# Allegro board T736_DEMO_DBOARD_V0-5-draft.brd (continued)
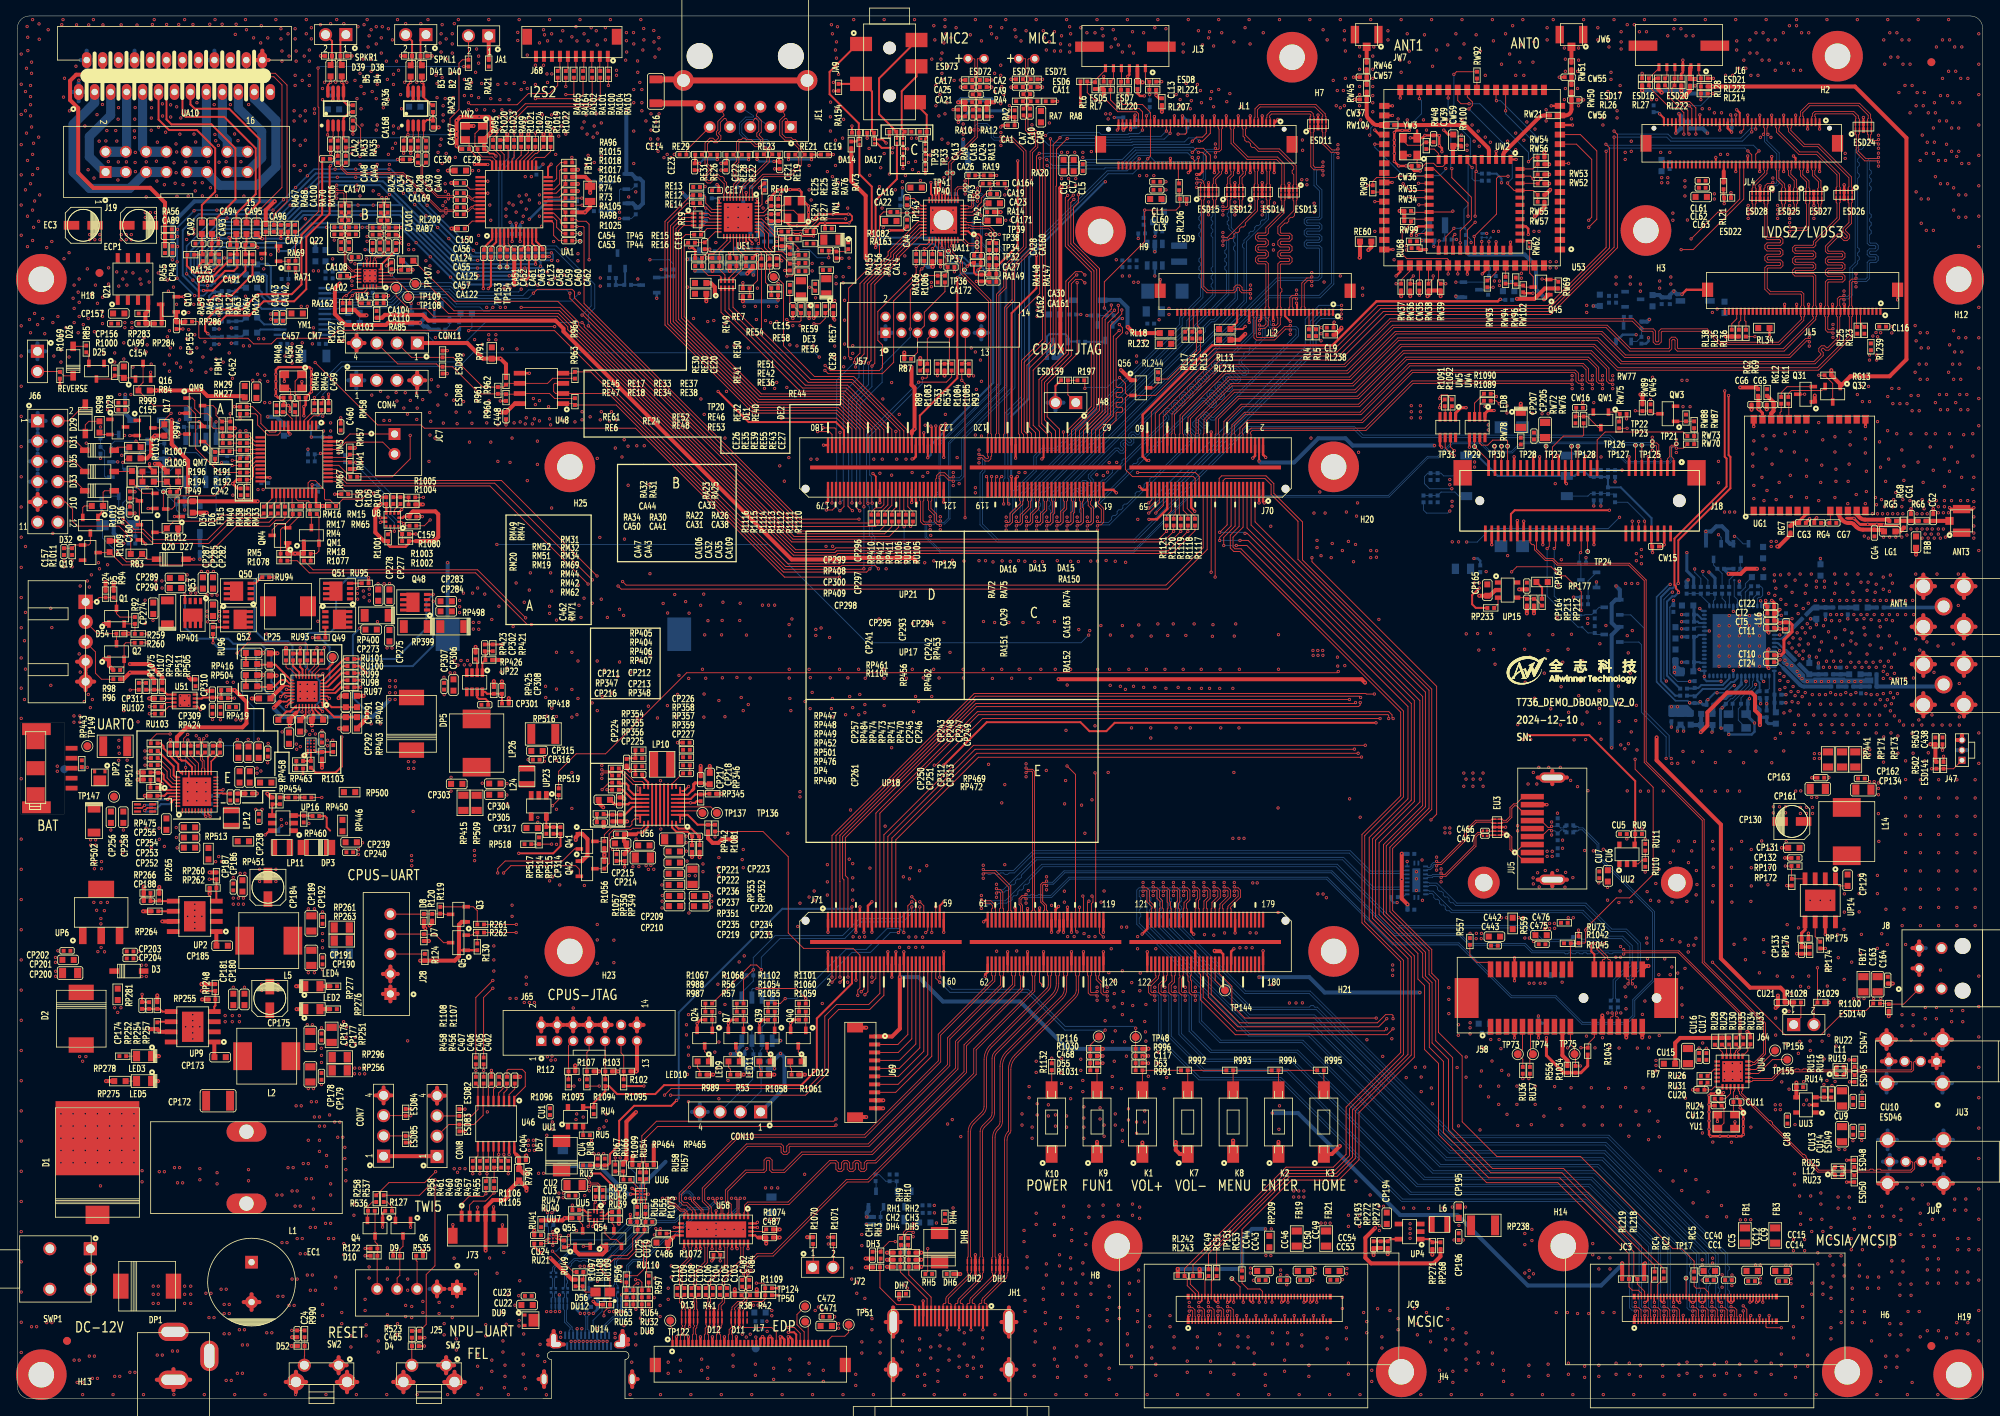
[diagram p0: board, top side]
## Routing (per net, layer and track width the routed paths; a pad name or vN(x,y) marks a point on that pad's centre or on a via; arc(x,y) is an arc through that point) (continued)
HTXCN: length 49.4
  TOP w0.102: J71.92 129.05,53.08 129.15,52.98 129.15,51.84 arc(129.11,51.62) 128.98,51.43 121.86,44.31 arc(121.3,43.47) 121.1,42.48 121.1,36.65 arc(121.02,36.23) 120.78,35.87 119.63,34.72 arc(119.24,34.14) 119.11,33.46 119.11,17.77 119.01,17.68 DH2.5 DH2.6 119.01,15.82 119.11,15.72 119.11,15.54 arc(119.1,15.48) 119.07,15.43 116.44,12.8 arc(116.35,12.67) 116.32,12.52 116.32,12.02 116.21,11.92 116.07,11.92 115.97,11.81 JH1.12
HTXCP: length 49.5
  TOP w0.102: J71.94 129.55,53.08 129.46,52.98 129.46,51.84 arc(129.39,51.5) 129.2,51.22 122.08,44.1 arc(121.58,43.36) 121.41,42.48 121.41,36.65 arc(121.3,36.11) 121,35.65 119.84,34.5 arc(119.53,34.02) 119.41,33.46 119.41,17.77 119.51,17.68 DH2.4 DH2.7 119.51,15.82 119.41,15.72 119.41,15.54 arc(119.38,15.36) 119.28,15.22 116.65,12.59 arc(116.63,12.55) 116.62,12.52 116.62,12.02 116.72,11.92 116.87,11.92 116.97,11.81 JH1.10
HUB-DM1: length 85.7
  TOP w0.112: UU4.11 217.29,41.76 217.42,41.89 217.68,41.89 219,43.21 219,47.07 211.31,54.75 211.31,72.58 204.05,79.85 204.05,102.61 201.95,104.71 192.98,104.71 192.41,105.28 191.52,105.28 190.31,106.49 J18.36
HUB-DM3: length 11.8
  TOP w0.112: UU4.7 217.29,39.76 217.42,39.89 219.88,39.89 220.95,40.96 227.54,40.96 RU19.1
HUB-DM4: length 17.1
  TOP w0.112: UU4.5 215.62,38.59 215.75,38.46 215.75,38.22 225.57,28.4 227.33,28.4 RU23.1
HUB-DP1: length 85.7
  TOP w0.112: UU4.12 217.29,42.26 217.42,42.13 217.58,42.13 218.76,43.31 218.76,46.97 211.07,54.65 211.07,72.48 203.81,79.75 203.81,102.51 201.85,104.47 192.88,104.47 192.31,105.04 191.42,105.04 190.07,106.39 190.07,106.92 189.96,107.04 189.76,107.04 189.51,107.29 J18.38
HUB-DP3: length 12.1
  TOP w0.112: RU22.1 227.54,41.2 224.2,41.2 224.07,41.32 223.74,41.32 223.61,41.2 223.28,41.2 223.15,41.32 222.82,41.32 222.69,41.2 222.36,41.2 222.23,41.32 221.9,41.32 221.77,41.2 220.85,41.2 219.78,40.13 217.42,40.13 217.29,40.26 UU4.8
HUB-DP4: length 17.1
  TOP w0.112: RU25.1 227.33,28.64 225.67,28.64 225.42,28.89 225.42,29.07 225.18,29.3 225,29.3 224.77,29.54 224.77,29.72 224.53,29.95 224.35,29.95 224.1,30.21 224.1,30.39 223.86,30.62 223.68,30.62 219.88,34.43 219.88,34.6 219.64,34.84 219.46,34.84 215.99,38.32 215.99,38.46 216.12,38.59 UU4.6
HUB-IN-DM: length 1.8
  TOP w0.112: UU4.14 215.62,43.26 215.49,43.39 215.49,43.46 215.87,43.84 215.87,44.07 RU34.2
HUB-IN-DP: length 1.8
  TOP w0.112: RU35.2 215.63,44.1 215.63,43.94 215.25,43.56 215.25,43.42 215.12,43.29 UU4.15
HUB-REXT: length 1.9
  TOP w0.114: UU4.13 216.78,43.59 216.78,43.88 217.11,44.22 RU33.2
HUB-XIN: length 3.6
  TOP w0.114: YU1.1 214.98,35.79 CU11.1 214.98,38.44 215.12,38.58 UU4.4
HUB-XOUT: length 2.3
  TOP w0.114: UU4.3 214.62,38.24 213.97,37.59 RU24.1
I2S2-BCLK: length 146.5
  TOP w0.114: RA99.1 v1(62.23,158.62) 62.23,160.27 63.88,161.93 71.75,161.93 73.03,163.19 RA104.2 ; v1(71.53,134.47) 80.26,125.73 80.44,125.73 97.77,108.41 108.66,108.41 109.55,109.3 R1113.2
  L4 w0.114: v1(62.23,158.62) 60.5,156.9 v1(60.5,136.78)
  BOTTOM w0.114: v1(62.23,158.62) 62.23,155.45 60.71,153.92 60.71,144.65 60.88,144.48 67.51,144.48 72.33,139.66 72.33,136.69 71.53,135.89 v1(71.53,134.47) ; v1(60.5,136.78) 60.07,137.21 55.02,137.21 53.85,138.37 48.34,138.37 47.04,137.08 40.66,137.08 40.18,136.6 U57.5
I2S2-DOUT0: length 113
  TOP w0.114: RA96.1 69.51,155.53 v1(69.47,155.57) ; v1(69.22,138.56) 69.22,137.93 97.82,109.32 107.52,109.32 107.82,109.63 R1115.2 ; v1(68.71,163.45) 69.61,163.45 69.72,163.56 RA102.1
  L4 w0.114: v1(68.71,163.45) 69.47,162.69 v1(69.47,155.57) 69.22,155.32 v1(69.22,138.56)
  BOTTOM w0.114: U57.2 39.74,138.55 39.88,138.68 42.77,138.68 43.34,138.12 45.76,138.12 47.06,139.42 54.28,139.42 55.45,138.25 63.32,138.25 64.04,138.97 68.8,138.97 v1(69.22,138.56)
I2S2-DOUT1: length 116.5
  TOP w0.114: R1116.2 106.8,109.75 98.02,109.75 69.8,137.97 69.8,138.73 69.49,139.04 65.13,139.04 v1(64.64,138.56) ; v1(64.9,162.94) 70.36,162.94 70.87,163.45 RA101.1 ; RA97.1 v1(64.9,158.62)
  L4 w0.114: v1(64.64,138.56) 64.64,140.34 64.39,140.59 64.39,146.94 64.9,147.45 v1(64.9,158.62) v1(64.9,162.94)
  BOTTOM w0.114: v1(64.64,138.56) 64,137.91 55.31,137.91 54.14,139.07 48.05,139.07 46.74,137.77 40.54,137.77 40.41,137.9 U57.3
I2S2-DOUT2: length 125.8
  TOP w0.114: RA164.1 v1(68.71,164.47) ; v1(111.9,109.33) 112.19,109.63 R1110.2 ; R1025.2 v1(70.1,146.91) 70.88,146.91 70.99,146.8 70.99,137.26 98.02,110.24 v1(105.44,110.24)
  L3 w0.114: v1(111.9,109.33) 111,110.24 v1(105.44,110.24)
  L4 w0.114: v1(68.71,164.47) 69.88,163.29 69.88,155.23 69.69,155.04 69.69,147.33 v1(70.1,146.91) 69.72,146.53 69.72,139.22 v1(70.38,138.56)
  BOTTOM w0.114: v1(70.38,138.56) 69.39,137.57 55.16,137.57 54,138.73 48.19,138.73 46.88,137.42 40.09,137.42 39.91,137.25 U57.4
I2S2-LRCK: length 146
  TOP w0.114: RA95.1 59.59,158.02 60.07,158.5 v1(60.07,158.75) 63.63,162.31 71.5,162.31 72.01,162.81 RA100.1 ; R1114.2 108.69,109.47 107.96,108.75 97.91,108.75 70.85,135.81 v1(70.74,135.81)
  L4 w0.114: v1(60.07,158.75) 59.55,158.23 59.55,154.95 59.87,154.63 59.87,137.09 v1(59.56,136.78)
  BOTTOM w0.114: v1(70.74,135.81) 71.88,136.96 71.88,139.47 67.28,144.07 60.66,144.07 60.33,144.4 60.33,154.31 61.59,155.57 61.59,156.59 60.07,158.12 v1(60.07,158.75) ; U57.6 41.31,135.95 RL234.2 42.09,136.73 47.27,136.73 48.54,138 53.7,138 54.86,136.83 57.94,136.83 58.45,136.32 59.11,136.32 v1(59.56,136.78)
I2S2-MCLK: length 118.5
  TOP w0.114: RA103.2 v1(74.04,164.59) ; R1112.2 110.41,109.25 109.23,108.06 97.3,108.06 71.02,134.35 71.02,134.59 v1(70.74,134.87)
  L4 w0.114: v1(74.04,164.59) 74.04,138.18 v1(70.74,134.87)
  BOTTOM w0.114: U57.7 39.96,135.3 40.44,134.82 RL235.2 42.65,133.63 51.05,133.63 52.2,132.49 56.21,132.49 58.6,134.87 v1(70.74,134.87)
I2S4-BCLK: length 164.9
  TOP w0.114: R1089.1 185.27,125.07 v1(185.65,124.69) ; R1118.2 v1(146.63,108.71) 144.19,106.27 102.64,106.27 102.43,106.06 97.36,106.06 69.3,134.13 69.3,134.49 67.78,136.01 54.01,136.01 51.94,138.07 TP108.1 48.97,138.73 47.76,139.94 UA3.1
  L3 w0.114: v1(146.63,108.71) 147.04,109.12 148.46,109.12 149.43,110.09 170.69,110.09 183.85,123.25 185.06,123.25 185.65,123.84 v1(185.65,124.69)
I2S4-DIN: length 157.8
  TOP w0.114: UA3.3 46.76,140.74 v1(46.86,140.84) ; R1120.2 v1(144.86,108.71) 143.52,107.38 97.01,107.38 69.98,134.41 69.98,134.77 67.98,136.78 v1(63.12,136.78) ; R1091.1 178.18,124.6 v1(178.18,124.21)
  L3 w0.114: v1(144.86,108.71) 144.86,109.04 146.2,110.39 148.03,110.39 149.16,111.51 165.97,111.51 178.18,123.72 v1(178.18,124.21)
  L4 w0.114: v1(63.12,139.06) v1(63.12,136.78)
  BOTTOM w0.114: v1(46.86,140.84) 47.83,139.87 54.35,139.87 55.51,138.71 62.76,138.71 v1(63.12,139.06)
I2S4-LRCK: length 163.7
  TOP w0.114: v1(185.29,125.6) 184.94,125.96 R1090.1 ; R1119.2 v1(145.75,108.71) 143.67,106.64 102.52,106.64 102.29,106.41 97.5,106.41 69.64,134.27 69.64,134.63 67.92,136.35 54.71,136.35 51.33,139.73 TP107.1 49.25,140.34 UA3.2
  L3 w0.114: v1(145.75,108.71) 145.75,108.99 146.32,109.57 148.32,109.57 149.26,110.51 166.98,110.51 182.07,125.6 v1(185.29,125.6)
I2S4-MCLK: length 119.2
  TOP w0.114: UA3.20 47.31,139.36 TP109.1 47.45,138.2 49.05,136.6 51.21,136.6 52.14,135.67 67.63,135.67 68.95,134.35 68.95,133.98 97.22,105.72 102.58,105.72 102.78,105.92 144.66,105.92 147.52,108.79 R1117.2
ILL-DET: length 3.8
  TOP w0.114: J10.8 7.29,114.94 D33.2
INTB: length 2.4
  TOP w0.114: v1(92.84,144.78) 92.96,144.91 92.96,146.14 92.85,146.26 UE1.31
  BOTTOM w0.114: RE11.2 92.75,144.7 v1(92.84,144.78)
IRQ-AXP2601: length 3.7
  TOP w0.254: RU107.1 RP422.1 RP511.1 18.76,88.25 U51.5
IRQ-T: length 2.5
  BOTTOM w0.114: UT1.50 212.47,99.97 212.67,100.18 RT13.1 RT16.1
LCD0-BL-PWM: length 79.8
  TOP w0.114: 139.12,125.75 138.81,126.05 138.81,127.25 v1(138.09,127.98) ; 139.12,125.75 138.81,125.44 138.81,116.46 139.7,115.57 147.31,115.57 147.55,115.33 J70.35 ; 139.12,125.75 Q56.2 142.61,125.75 148.2,131.34 RL15.2 ; v1(133.73,126.62) 133.73,127.55 R197.1 ; v1(145.41,158.5) 146.3,158.5 146.45,158.64 JL1.45
  L4 w0.114: v1(138.09,127.98) 137.49,128.57 137.49,130.23 141.86,134.59 141.86,137.92 143.76,139.83 143.76,147.7 145.16,149.1 145.16,158.24 v1(145.41,158.5)
  BOTTOM w0.114: v1(138.09,127.98) 137.74,127.64 137.41,127.64 136.53,126.75 133.86,126.75 v1(133.73,126.62) ; ESD10.2 146.56,158.75 146.3,158.5 v1(145.41,158.5)
LCD0-BL-PWM-R: length 13.6
  TOP w0.114: JL2.35 147.81,134.51 148.2,134.12 RL15.1 147.87,133.72 147.7,133.55 147.7,131.34 144.15,127.8 RL244.2 142.9,127.25 142.34,126.7 Q56.3
LCD0-BL-PWREN: length 55.6
  TOP w0.114: v1(140.34,116.08) 147.57,116.08 148.05,115.6 J70.33 ; v1(136.17,136.7) 136.17,139.98 141.22,145.03 v1(141.22,148.97) 145.16,148.97 145.63,149.44 ESD9.2 145.54,150.45 RL206.1
  L4 w0.114: v1(136.17,136.7) 136.75,136.12 136.75,119.66 v1(140.34,116.08)
  BOTTOM w0.114: v1(141.22,148.97) 141.1,148.84 RL228.1 ; v1(136.17,136.7) 136.63,136.25 137.01,136.25 137.33,135.92 RL11.1
LCD0-D0: length 62.9
  TOP w0.114: J70.100 126.55,120.84 126.13,121.26 126.13,129.9 128.76,132.53 128.76,154.04 128.52,154.29 128.52,157.79 v1(128.3,158.01) ; JL1.35 148.95,158.6 148.46,158.12 147.7,158.12 v1(147.19,157.61)
  BOTTOM w0.114: v1(128.3,158.01) 129.22,157.09 139.71,157.09 139.8,157.18 146.77,157.18 v1(147.19,157.61)
LCD0-D1: length 62.2
  TOP w0.114: J70.98 127.05,120.95 126.59,121.42 126.47,121.53 126.47,129.54 129.42,132.48 129.42,154.73 129.41,154.74 v1(129.41,157.91) ; v1(148.08,157.61) 148.46,157.61 149.45,158.59 JL1.33
  BOTTOM w0.114: v1(129.41,157.91) 129.89,157.44 139.57,157.44 139.66,157.52 146.21,157.52 146.71,158.02 147.67,158.02 v1(148.08,157.61)
LCD0-D8: length 61.6
  TOP w0.114: J70.104 125.55,120.83 125.45,120.93 125.45,135.88 128.07,138.51 128.07,153.59 127.68,153.98 127.68,155.75 v1(128.02,156.08) ; JL1.36 148.95,155.73 148.46,156.21 v1(147.96,156.21)
  BOTTOM w0.114: v1(147.96,156.21) 147.33,156.84 139.94,156.84 138.4,155.3 133.78,155.3 133.65,155.16 133.31,155.16 132.67,155.8 130.64,155.8 130.35,156.08 v1(128.02,156.08)
LCD0-D9: length 61.8
  TOP w0.114: v1(128.09,155.47) 128.09,154.05 128.42,153.73 128.42,132.73 125.79,130.11 125.79,121.1 126.05,120.83 J70.102 ; v1(147.19,156.21) 147.7,156.72 148.59,156.72 149.45,155.86 JL1.34
  BOTTOM w0.114: v1(128.09,155.47) 128.55,155.47 128.78,155.71 130.24,155.71 131.03,154.93 133.06,154.93 133.16,154.82 133.79,154.82 133.92,154.95 138.54,154.95 140.08,156.5 146.91,156.5 v1(147.19,156.21)
LCD0-D16: length 55.1
  TOP w0.114: v1(131.52,157.94) 130.18,156.59 130.18,152.02 130.11,151.96 130.11,131.76 127.25,128.91 127.25,122 127.72,121.55 128.05,121.22 J70.94 ; v1(144.4,158.6) 144.4,158.61 144.41,158.62 144.41,158.64 144.45,158.67 JL1.53
  BOTTOM w0.114: v1(131.52,157.94) 135.05,157.94 135.21,157.78 139.42,157.78 139.51,157.87 143.67,157.87 v1(144.4,158.6)
LCD0-D17: length 55.3
  TOP w0.114: v1(130.62,158.05) 129.76,157.19 129.76,132.12 126.82,129.18 126.82,121.79 127.14,121.47 127.55,121.06 J70.96 ; JL1.55 v1(143.95,158.88)
  BOTTOM w0.114: v1(130.62,158.05) 130.92,158.35 135.18,158.35 135.41,158.12 139.28,158.12 139.37,158.21 143.28,158.21 v1(143.95,158.88)
LCD0-HSYNC: length 64.9
  TOP w0.114: J70.117 v1(122.05,115.58) ; v1(147.95,155.57) JL1.40
  L4 w0.114: v1(122.05,115.58) 122.05,119.9 129.01,126.85 v1(129.01,154.56)
  BOTTOM w0.114: v1(147.95,155.57) 147.41,155.04 142.55,155.04 141.78,155.81 140.37,155.81 138.82,154.27 136.27,154.27 136.14,154.13 132.88,154.13 132.78,154.24 129.33,154.24 v1(129.01,154.56)
LCD0-VSYNC: length 65.2
  TOP w0.114: v1(121.41,115.57) 121.55,115.43 J70.119 ; v1(147.19,155.57) 147.19,155.45 147.45,155.19 JL1.42
  L4 w0.114: v1(128.96,155.3) 128.4,154.74 128.4,126.75 121.41,119.76 v1(121.41,115.57)
  BOTTOM w0.114: v1(128.96,155.3) 129.67,154.58 132.92,154.58 133.02,154.48 133.93,154.48 134.07,154.61 138.68,154.61 140.22,156.15 146.62,156.15 v1(147.19,155.57)
LCD1-BL-PWM: length 267.7
  TOP w0.114: v1(214.63,160.91) 214.77,160.77 JL4.45 ; JL7.33 98.07,8.18 97.33,8.92 v1(96.6,8.92) ; v1(217.68,133.12) RL36.2 ; v1(114.87,79.4) 115.06,79.4 120.9,85.24 v1(170.71,85.24) ; J71.55 v1(115.05,61.64)
  L4 w0.114: v1(170.71,85.24) 170.71,85.49 177.96,92.73 177.96,117.51 179.33,118.88 179.33,120.24 181.02,121.93 181.02,122.29 184.84,126.11 200.79,126.11 203.96,129.29 213.85,129.29 v1(217.68,133.12) 217.68,136.27 227.33,145.92 227.33,155.45 224.79,157.99 221.62,157.99 219.71,159.89 215.65,159.89 v1(214.63,160.91) ; v1(96.6,8.92) 96.6,23.95 114.61,41.97 114.61,57.9 115.05,58.34 v1(115.05,61.64) 114.87,61.82 v1(114.87,79.4)
  BOTTOM w0.114: ESD23.2 214.76,160.78 v1(214.63,160.91)
LCD1-BL-PWREN: length 236.3
  TOP w0.254: v1(213.82,149.78) ESD22.2 213.74,150.58 RL21.1 ; v1(116.05,62.27) 115.55,61.77 J71.57 ; v1(96.58,8.32) 97.29,8.32 97.57,8.04 JL7.32 ; v1(170.21,84.71) 137.47,84.71 136.42,83.66 134.3,83.66 133.18,84.79 121.44,84.79 v1(116.05,79.4)
  L3 w0.254: v1(213.82,149.78) 213.82,147.98 213.57,147.73 v1(209.22,147.73)
  L4 w0.254: v1(209.22,147.73) 209.22,146.66 204.44,141.88 v1(204.44,135.25) 204.32,135.13 194.34,135.13 190.17,130.96 189.1,130.96 180.61,122.47 180.61,122.1 178.92,120.41 178.92,119.05 177.55,117.68 177.55,92.9 170.21,85.56 v1(170.21,84.71) ; v1(96.58,8.32) 96.8,8.32 97.13,8.64 97.13,23.47 115.03,41.37 115.03,57.73 115.57,58.27 115.57,61.79 v1(116.05,62.27) v1(116.05,79.4)
  BOTTOM w0.508: v1(204.44,135.25) 204.18,134.99 RL32.1
LCD1-CLK: length 107.1
  TOP w0.114: v1(215.9,158.75) 216.27,159.12 JL4.39 ; v1(142.62,111) 143.55,111.93 J70.51
  L3 w0.114: v1(165.86,135.38) 192.28,135.38 198.65,141.76 210.64,141.76 216.33,147.45 216.33,158.32 v1(215.9,158.75)
  BOTTOM w0.114: v1(165.86,135.38) 163.32,135.38 162.69,134.75 162.69,131.32 142.62,111.25 v1(142.62,111)
LCD1-DE: length 109.4
  TOP w0.114: v1(141.73,111) 143.05,112.32 J70.53 ; JL4.43 v1(215.27,160.9)
  L3 w0.114: v1(165.86,135.94) 192.33,135.94 198.5,142.11 210.49,142.11 215.98,147.59 215.98,154.16 215.27,154.86 v1(215.27,160.9)
  BOTTOM w0.114: v1(141.73,111) 141.86,111 162.33,131.47 162.33,134.9 163.37,135.94 v1(165.86,135.94)
LCD1-HSYNC: length 99.5
  TOP w0.114: v1(141.73,111.63) 142.55,112.45 J70.55 ; JL4.40 216.27,150.36 209.93,144.02 v1(208.43,144.02)
  L3 w0.114: v1(165.89,136.47) 192.35,136.47 198.37,142.49 206.91,142.49 v1(208.43,144.02)
  BOTTOM w0.114: v1(165.89,136.47) 163.41,136.47 161.98,135.04 161.98,131.61 142,111.63 v1(141.73,111.63)
LCD1-VSYNC: length 98.1
  TOP w0.114: v1(141.73,112.27) 142.05,112.59 J70.57 ; JL4.42 215.77,150.37 214.12,148.72 213.03,148.72 v1(209.68,145.36)
  L3 w0.114: v1(209.68,145.36) 208.56,145.36 206.14,142.95 198.3,142.95 192.22,136.87 189.51,136.87 189.36,137.03 v1(165.89,137.03)
  BOTTOM w0.114: v1(165.89,137.03) 163.07,137.03 161.34,135.31 161.34,131.88 v1(141.73,112.27)
LCD-D20: length 103.6
  TOP w0.114: J70.52 143.55,123.08 150.65,130.18 165.74,130.18 171.45,135.89 192.08,135.89 200.45,144.25 200.45,158.46 v1(200.03,158.88) ; JL4.33 v1(217.77,159.13)
  BOTTOM w0.114: v1(217.77,159.13) 217.65,159.26 217.17,159.26 215.9,157.99 207.29,157.99 206.79,158.5 200.41,158.5 v1(200.03,158.88)
LCD-D21: length 102.4
  TOP w0.114: JL4.35 v1(217.27,158.77) ; v1(200.03,158.12) 200.03,144.32 191.98,136.27 171.12,136.27 165.53,130.68 150.44,130.68 143.05,123.29 J70.54
  BOTTOM w0.114: v1(200.03,158.12) 206.63,158.12 207.14,157.61 216.1,157.61 v1(217.27,158.77)
LCD-D22: length 104
  TOP w0.114: v1(218.19,156.39) 217.77,155.97 JL4.34 ; v1(199.01,157.23) 199.45,156.79 199.45,144.22 191.88,136.65 170.8,136.65 165.32,131.17 150.23,131.17 142.55,123.5 J70.56
  BOTTOM w0.114: v1(218.19,156.39) 217.47,157.1 199.14,157.1 v1(199.01,157.23)
LCD-D23: length 101.7
  TOP w0.114: v1(216.79,156.39) 217.27,155.9 JL4.36 ; J70.58 142.05,123.7 149.94,131.59 165.03,131.59 170.45,137.01 191.75,137.01 199.03,144.29 v1(199.03,156.34)
  BOTTOM w0.114: v1(199.03,156.34) 199.45,156.75 216.43,156.75 v1(216.79,156.39)
LD1: length 25.9
  TOP w0.114: v1(36.55,86.06) 36.52,86.08 UP21.29
  TOP w0.254: RU95.2 v1(44,102.9)
  BOTTOM w0.254: v1(36.55,86.06) 37.9,87.4 37.9,89.94 36.09,91.74 36.09,95.58 36.5,95.99 39.14,95.99 39.93,96.77 39.93,101.38 41.45,102.9 v1(44,102.9)
LD2: length 18.8
  TOP w0.114: UP21.27 35.72,86.14 v1(35.66,86.08)
  TOP w0.254: RU96.2 v1(24.51,94.74)
  BOTTOM w0.254: v1(24.51,94.74) 25.27,93.98 29.67,93.98 29.92,93.73 29.92,89.84 33.68,86.08 v1(35.66,86.08)
LED0/CFG-EXT: length 22.5
  TOP w0.114: v1(96.39,135.25) 96.68,134.97 98.01,134.97 98.17,135.13 RE35.1 98.11,136.08 97.26,136.92 CE26.2 96.77,137.3 RE32.1 ; v1(96.39,140.72) 97.03,140.72 97.28,140.97 97.28,141.6 97.54,141.86 97.66,141.86 97.87,142.07 RE42.1 97.79,142.26 RE41.2 95.65,143.38 94.49,143.38 93.6,144.27 93.6,146.05 92.99,146.66 UE1.32
  L4 w0.114: v1(96.39,140.72) v1(96.39,135.25)
LED1/CFG-LDO0: length 23.3
  TOP w0.114: v1(97.28,142.88) 97.39,142.88 RE51.1 97.79,143.44 RE50.2 96.21,143.44 95.89,143.76 94.61,143.76 94.11,144.27 94.11,146 93.05,147.06 UE1.33 ; v1(99.24,139.29) 99.52,139.29 RE40.1 ; CE27.2 102.13,136.92 101.28,136.08 RE43.1 101.22,135.41 100.53,134.72 v1(99.8,134.72)
  L4 w0.114: v1(97.28,142.88) 97.87,142.28 97.87,140.66 v1(99.24,139.29) 99.24,136.86 98.65,136.27 98.65,135.2 99.19,134.67 99.75,134.67 v1(99.8,134.72)
LED2/CFG-LDO1: length 14.6
  TOP w0.114: RE57.1 103.79,143.78 CE28.2 102.51,143.89 RE56.1 v1(101.64,143) ; v1(97.79,144.02) 97.79,144.27 96.86,145.2 RE54.1 95.84,145.39 RE49.2 95.47,145.59 95,145.59 93.13,147.46 UE1.34
  BOTTOM w0.114: v1(101.64,143) 100.2,143 99.19,144.02 v1(97.79,144.02)
LEFTTURN-DET: length 3.8
  TOP w0.114: J10.4 7.29,120.02 D31.2
LINEOUT-DSP-LN: length 2.4
  TOP w0.102: CA124.2 56.28,150.75 56.64,150.75 56.94,150.44 57.09,150.44 57.23,150.59 UA1.42
LINEOUT-DSP-LP: length 2.4
  TOP w0.102: UA1.43 57.23,150.09 57.09,150.24 56.86,150.24 56.55,150.55 56.25,150.55 CA55.2
LINEOUT-DSP-RN: length 2.4
  TOP w0.102: CA125.2 56.25,149 56.43,149 56.88,149.44 57.08,149.44 57.23,149.59 UA1.44
LINEOUT-DSP-RP: length 2.5
  TOP w0.102: CA57.2 56.28,148.79 56.52,148.79 56.97,149.24 57.08,149.24 57.23,149.09 UA1.45
LINEOUTLN: length 248.5
  TOP w0.102: UA11.12 117.43,150.83 117.47,150.88 117.47,151.58 117.79,151.89 118.54,151.89 v1(118.73,152.09) 119.06,152.09 119.16,152.19 CA26.2 ; J18.3 206.71,117.79 207.01,118.09 207.01,119.29 207.23,119.51 207.65,119.51 v1(207.83,119.68) ; CA40.2 50.77,154.51 50.77,152.69 52.7,150.76 53.82,150.76 v1(53.99,150.94) 54.17,150.76 54.73,150.76 CA124.1 ; J70.133 113.05,112.56 113.15,112.46 113.15,109.91 113.48,109.58 114.22,109.58 v1(114.35,109.45)
  L3 w0.102: v1(118.73,152.09) 118.56,151.91 117.71,151.91 116.42,150.62 105.62,150.62 100.28,155.96 84.96,155.96 84.04,155.04 79.38,155.04 77.05,157.38 71.87,157.38 66.72,152.22 59.12,152.22 57.66,150.76 54.17,150.76 v1(53.99,150.94)
  BOTTOM w0.102: v1(207.83,119.68) 207.65,119.51 207.37,119.51 207.06,119.2 207.06,117.58 206.96,117.47 201.58,117.47 199.17,119.89 188.34,119.89 187.2,118.75 184.53,118.75 183.39,119.89 179.7,119.89 177.92,118.11 176.66,118.11 171.75,113.21 146.71,113.21 139.8,106.3 115.65,106.3 113.92,108.03 113.92,109.52 114.03,109.63 114.17,109.63 v1(114.35,109.45) 114.5,109.6 114.86,109.6 115.11,109.86 115.11,113.13 115.66,113.68 115.66,119.65 123.2,127.18 123.2,140.91 120.88,143.23 120.19,143.23 119.81,143.61 119.81,147.5 120.32,148.01 120.32,149.45 119.33,150.44 119.33,151.69 119.11,151.91 118.91,151.91 v1(118.73,152.09)
LINEOUTLP: length 247.5
  TOP w0.102: UA11.11 117.83,150.83 117.78,150.88 117.78,151.45 117.98,151.66 118.61,151.66 v1(118.73,151.53) ; CA55.1 54.73,150.56 54.17,150.56 v1(53.99,150.38) 53.82,150.56 52.62,150.56 50.57,152.6 50.57,154.51 CA39.2 ; J70.131 113.55,112.56 113.46,112.46 113.46,110.03 113.61,109.88 114.22,109.88 v1(114.35,110.01) ; J18.1 207.51,117.79 207.21,118.09 207.21,119.2 207.31,119.3 207.65,119.3 v1(207.83,119.13) 208.7,119.13 RW70.1
  L3 w0.102: v1(53.99,150.38) 54.17,150.56 57.75,150.56 59.21,152.02 66.8,152.02 71.96,157.18 76.96,157.18 79.3,154.84 84.12,154.84 85.05,155.76 100.2,155.76 105.54,150.42 116.51,150.42 117.8,151.71 118.56,151.71 v1(118.73,151.53)
  BOTTOM w0.102: v1(207.83,119.13) 207.65,119.3 207.46,119.3 207.26,119.11 207.26,117.49 207.04,117.27 201.5,117.27 199.09,119.68 188.43,119.68 187.28,118.54 184.45,118.54 183.3,119.68 179.78,119.68 178,117.91 176.74,117.91 171.84,113 146.79,113 139.89,106.1 115.57,106.1 113.72,107.95 113.72,109.6 113.94,109.83 114.17,109.83 v1(114.35,110.01) 114.55,109.8 114.77,109.8 114.91,109.94 114.91,113.22 115.46,113.77 115.46,119.74 122.99,127.27 122.99,140.83 120.79,143.03 120.11,143.03 119.61,143.53 119.61,147.58 120.12,148.09 120.12,149.37 119.13,150.36 119.13,151.6 119.02,151.71 118.91,151.71 v1(118.73,151.53)
LINEOUTRN: length 145.8
  TOP w0.102: CA164.2 120.65,152.01 120.65,151.28 120.55,151.18 v1(120.27,151.18) 120.09,151 119.78,151 119.56,150.78 119.56,149.53 119.46,149.43 119.18,149.43 119.08,149.53 UA11.10 ; v1(115.62,109.45) 115.49,109.58 115.22,109.58 114.86,109.94 114.86,110.74 114.15,111.45 114.15,112.46 114.05,112.56 J70.129 ; CA125.1 54.73,148.98 53.87,148.98 v1(53.69,149.16) 53.5,148.97 53.04,148.97 48.34,153.67 41.33,153.67 40.74,154.25 40.74,154.51 CA49.2
  L3 w0.102: v1(120.27,151.18) 120.09,151 119.51,151 118.41,149.91 104.53,149.91 101.07,153.37 69.26,153.37 67.35,151.46 59.91,151.46 57.43,148.98 53.87,148.98 v1(53.69,149.16)
  BOTTOM w0.102: v1(115.62,109.45) 115.8,109.63 116.18,109.63 116.84,110.29 116.84,119.76 123.95,126.87 123.95,141.78 120.88,144.86 120.88,147.45 121.51,148.08 121.51,150.34 120.83,151.03 120.42,151.03 v1(120.27,151.18)
LINEOUTRP: length 143.4
  TOP w0.102: v1(115.62,110.01) 115.49,109.88 115.35,109.88 115.16,110.07 115.16,110.87 114.46,111.58 114.46,112.46 114.55,112.56 J70.127 ; v1(120.27,150.62) 120.1,150.79 119.86,150.79 119.76,150.69 119.76,149.45 119.54,149.22 119.18,149.22 119.08,149.13 UA11.9 ; CA57.1 54.73,148.78 53.87,148.78 v1(53.69,148.6) 53.52,148.77 52.96,148.77 48.26,153.47 41.24,153.47 40.54,154.17 40.54,154.51 CA48.2
  L3 w0.102: v1(120.27,150.62) 120.09,150.8 119.59,150.8 118.5,149.71 104.44,149.71 100.99,153.16 69.34,153.16 67.44,151.26 59.99,151.26 57.52,148.78 53.87,148.78 v1(53.69,148.6)